# KiCad board Scopefun_v2.kicad_pcb (continued)
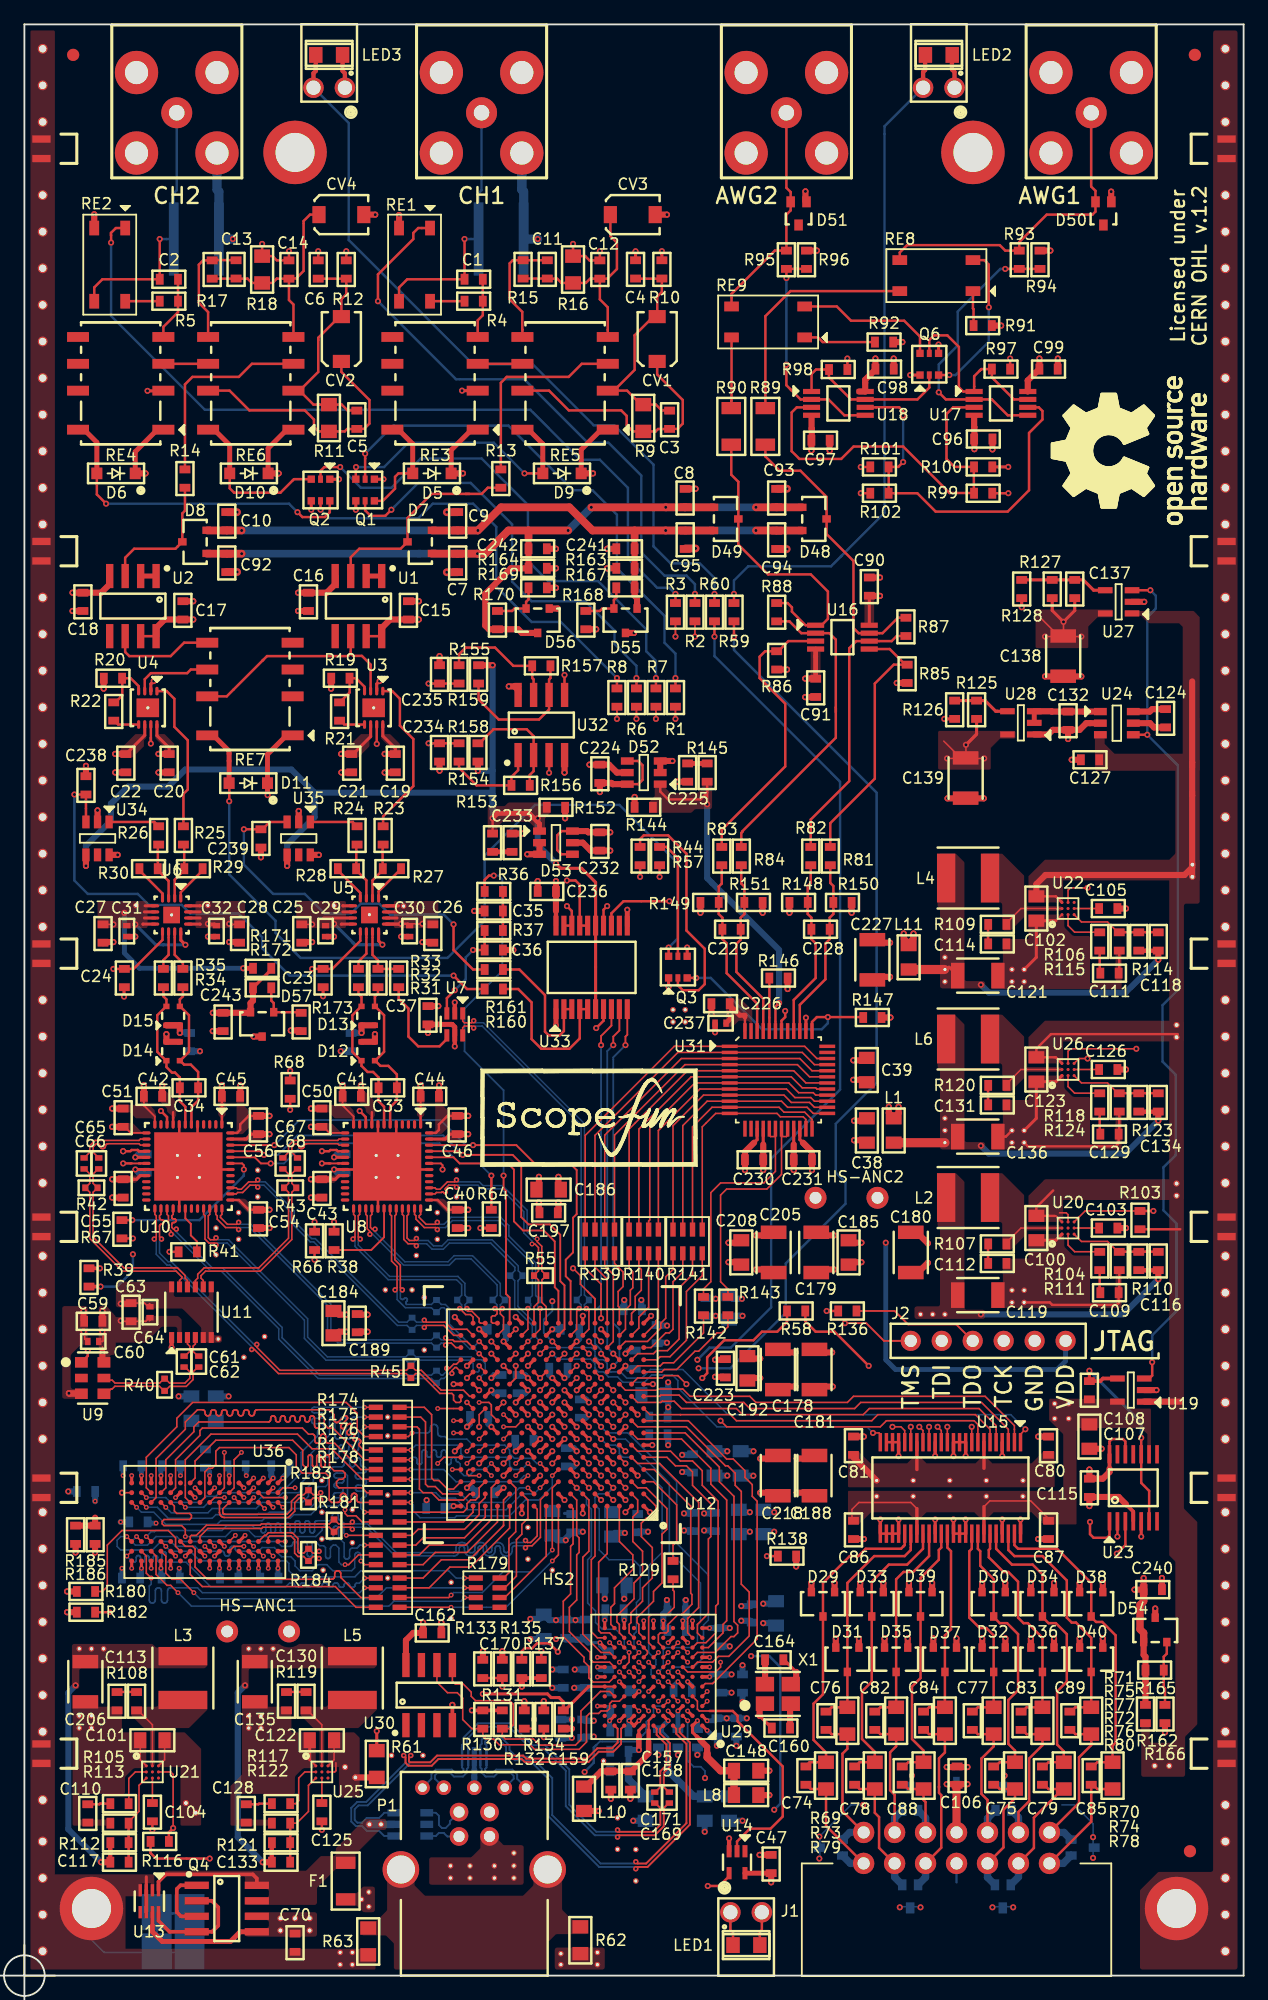
[diagram p0: board, top side]
## Copper pours and planes (outline as drawn; the poured copper is in the pictures) (continued)
-Va on Top: 26.4,99.9 27.4,99.9 28.3,100.8 28.3,101.3 28.52,101.53 28.52,101.8 27.6,101.8 26.4,100.6
-Va on Top: 7.9,99.9 8.9,99.9 9.8,100.8 9.8,101.3 10,101.5 10,101.8 9.1,101.8 7.9,100.6
-Va on Top: 64.5,106.1 64.5,108.9 65.3,108.9 65.3,106.1
-Va on Top: 74.94,98.89 74.94,102.07 81.29,102.07 81.29,101.43 80.02,101.43 79.26,100.67 79.26,98.89
-Va on In3.Cu: 79.5,98.85 71.5,98.85 71.5,114.2 70.5,115.2 68,115.2 67,114.21 67,100 47.9,100 45.55,97.65 45.55,91.95 41.8,88.2 41.8,83.9 39.7,81.8 3.8,81.8 3.8,115.9 9.5,115.9 9.5,99.5 6.5,96.5 6.5,85.5 14.05,85.5 14.1,93.8 14.8,94.5 20.5,94.5 21,95 21,115.9 26.5,115.9 26.5,104 27.5,103 27.5,99 22.8,94.3 22.8,85.5 30.3,85.5 30.3,93.8 31,94.5 36.6,94.5 40.4,98.3 40.4,115.9 44.5,115.9 44.5,114.35 51.5,114.35 51.5,124.3 55.2,128 79.5,128
/DDR3 SDRAM/VFREF on In3.Cu: 15.55,41.3 15.55,40.85 15.1,40.4 15.1,38.5 12.65,36.05 12.65,34.15 12.15,34.15 12.15,35.25 10.7,36.7 4.6,36.7 4.6,39.4 6.9,39.4 6.9,38.4 14,38.4 14.6,39 14.6,41.3
/POWER SUPPLY/A2_L_1V0 on Top: 85,61.5 82,61.5 82,64 80.2,65.8 78.5,65.8 78.5,61.8 80.2,61.8 80.2,59.5 80.9,59.5 82,60.6 82,61.1 85,61.1 85.2,61.25 85.2,61.35
/POWER SUPPLY/A2_L_1V2 on Top: 24.6,17.3 24.6,20.3 27.4,20.3 28.9,21.8 28.9,23.3 24.9,23.3 24.9,22.05 22.65,22.05 22.65,21.35 23.7,20.3 24.2,20.3 24.2,17.3 24.35,17.1 24.45,17.1
/POWER SUPPLY/A2_L_1V5 on Top: 10.7,17.3 10.7,20.3 13.5,20.3 15,21.8 15,23.3 11,23.3 11,22.05 8.75,22.05 8.75,21.35 9.8,20.3 10.3,20.3 10.3,17.3 10.45,17.1 10.55,17.1
/POWER SUPPLY/A2_L_1V8 on Top: 85,74.5 82,74.5 82,77 80.2,78.8 78.5,78.8 78.5,74.8 80.2,74.8 80.2,72.5 80.9,72.5 82,73.6 82,74.1 85,74.1 85.2,74.25 85.2,74.35
/POWER SUPPLY/A2_L_3V3 on Top: 85,87.7 82,87.7 82,90.2 80.2,92 78.5,92 78.5,88 80.2,88 80.2,85.7 80.9,85.7 82,86.8 82,87.3 85,87.3 85.2,87.45 85.2,87.55
/USB Port/SHLD on Top: 32,7.4 32.85,6.55 40.9,6.55 41.75,7.4 41.75,9.6 44.1,9.6 44.1,5.4 45,4.5 46.2,4.5 46.2,3.4 43.6,3.4 42.9,2.7 42.9,0.5 30.3,0.5 30.3,2.65 29.65,3.3 27.6,3.3 27.6,4.3 27.75,4.45 28.85,4.45 29.75,5.35 29.75,9.6 32,9.6
/USB Port/SHLD on Bottom: 33.45,12.65 33.45,12.15 32.3,12.15 32.2,12.05 32.2,10.9 32.45,10.65 32.45,8.05 31.55,7.15 30.2,7.15 29.3,8.05 29.3,9.75 30.2,10.65 30.9,10.65 31.15,10.9 31.15,14.05 32.2,14.05 32.2,12.75 32.3,12.65
Va on Top: 82.94,108.85 82.94,112.03 89.29,112.03 89.29,111.39 88.02,111.39 87.26,110.63 87.26,108.85
Va on Top: 30,99.9 30,100.7 29.27,101.43 29.27,101.8 30,101.8 30.8,101 30.8,99.9
Va on Top: 26.37,88.12 22.3,88.12 22.3,85.9 26.37,85.9
Va on Top: 68.9,113.4 68.9,110.6 69.7,110.6 69.7,113.4
Va on Top: 6,88.12 10.1,88.12 10.1,85.9 6,85.9
Va on Top: 11.5,99.9 11.5,100.7 10.75,101.45 10.75,101.8 11.5,101.8 12.3,101 12.3,99.9
Va on In3.Cu: 3.8,155.5 96.2,155.5 96.2,94.55 48.45,94.55 48.45,93.2 40.4,93.2 40.4,85.9 3.8,85.9

## Text on the board
F.Silkscreen: Licensed under / CERN OHL v.1.2 | TMS | TDI | TDO | TCK | GND | VDD | JTAG
